# KiCad board keyboard.kicad_pcb (continued)
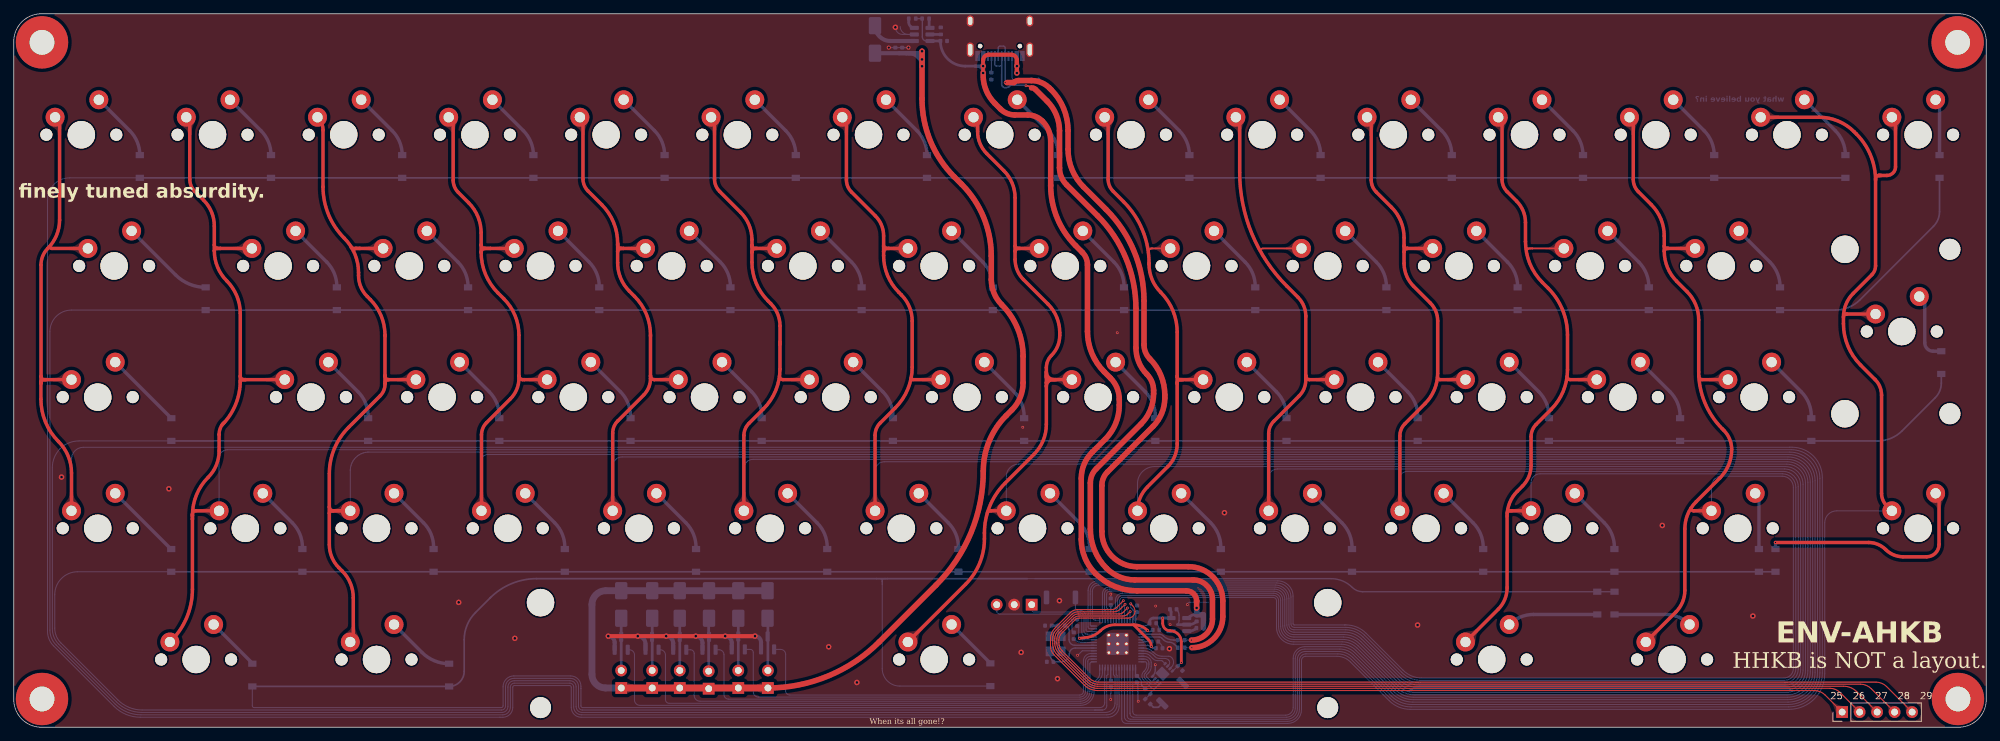
[diagram p0: board, top side]
## Routing (per net, layer and track width the routed paths; a pad name or vN(x,y) marks a point on that pad's centre or on a via; arc(x,y) is an arc through that point) (continued)
Net-(D_21-A): length 10.5
  Bottom w0.5: K_21.2 140.7,67.54 arc(141.78,65.92) 142.16,64.01 D_21.2
Net-(D_22-A): length 10.5
  Bottom w0.5: D_22.2 161.21,64.01 arc(160.83,65.92) 159.75,67.54 K_22.2
Net-(D_23-A): length 10.5
  Bottom w0.5: D_23.2 180.26,64.01 arc(179.88,65.92) 178.8,67.54 K_23.2
Net-(D_24-A): length 10.5
  Bottom w0.5: K_24.2 197.85,67.54 arc(198.93,65.92) 199.31,64.01 D_24.2
Net-(D_25-A): length 10.5
  Bottom w0.5: K_25.2 216.9,67.54 arc(217.98,65.92) 218.36,64.01 D_25.2
Net-(D_26-A): length 10.5
  Bottom w0.5: K_26.2 235.95,67.54 arc(237.03,65.92) 237.41,64.01 D_26.2
Net-(D_27-A): length 10.5
  Bottom w0.5: K_27.2 255,67.54 arc(256.08,65.92) 256.46,64.01 D_27.2
Net-(D_28-A): length 10.3
  Bottom w0.5: D_28.2 278.7,54.6 arc(277.83,54.96) 277.47,55.83 277.47,61.74 arc(277.24,62.31) K_28.2
Net-(D_29-A): length 11.5
  Bottom w0.5: K_29.2 22.87,44.88 D_29.2
Net-(D_30-A): length 10.3
  Bottom w0.5: D_30.2 51.45,45.18 arc(51.07,47.09) 49.99,48.72 K_30.2
Net-(D_31-A): length 10.3
  Bottom w0.5: D_31.2 70.5,45.18 arc(70.12,47.09) 69.04,48.72 K_31.2
Net-(D_32-A): length 10.3
  Bottom w0.5: K_32.2 88.09,48.72 arc(89.17,47.09) 89.55,45.18 D_32.2
Net-(D_33-A): length 10.3
  Bottom w0.5: D_33.2 108.6,45.18 arc(108.22,47.09) 107.14,48.72 K_33.2
Net-(D_34-A): length 10.3
  Bottom w0.5: K_34.2 126.19,48.72 arc(127.27,47.09) 127.65,45.18 D_34.2
Net-(D_35-A): length 10.3
  Bottom w0.5: D_35.2 146.7,45.18 arc(146.32,47.09) 145.24,48.72 K_35.2
Net-(D_36-A): length 10.3
  Bottom w0.5: K_36.2 164.29,48.72 arc(165.37,47.09) 165.75,45.18 D_36.2
Net-(D_37-A): length 10.3
  Bottom w0.5: D_37.2 184.8,45.18 arc(184.42,47.09) 183.34,48.72 K_37.2
Net-(D_38-A): length 10.3
  Bottom w0.5: D_38.2 203.85,45.18 arc(203.47,47.09) 202.39,48.72 K_38.2
Net-(D_39-A): length 10.3
  Bottom w0.5: K_39.2 221.44,48.72 arc(222.52,47.09) 222.9,45.18 D_39.2
Net-(D_40-A): length 10.3
  Bottom w0.5: D_40.2 241.95,45.18 arc(241.57,47.09) 240.49,48.72 K_40.2
Net-(D_41-A): length 10.3
  Bottom w0.5: D_41.2 261,45.18 arc(260.62,47.09) 259.54,48.72 K_41.2
Net-(D_42-A): length 11.5
  Bottom w0.5: K_42.2 22.79,25.9 arc(22.82,25.88) D_42.2
Net-(D_43-A): length 10.3
  Bottom w0.5: D_43.2 41.91,26.14 arc(41.53,28.06) 40.45,29.68 K_43.2
Net-(D_44-A): length 10.3
  Bottom w0.5: D_44.2 60.96,26.14 arc(60.58,28.06) 59.5,29.68 K_44.2
Net-(D_45-A): length 10.3
  Bottom w0.5: D_45.2 80.01,26.14 arc(79.63,28.06) 78.55,29.68 K_45.2
Net-(D_46-A): length 10.3
  Bottom w0.5: D_46.2 99.06,26.14 arc(98.68,28.06) 97.6,29.68 K_46.2
Net-(D_47-A): length 10.3
  Bottom w0.5: D_47.2 118.11,26.14 arc(117.73,28.06) 116.65,29.68 K_47.2
Net-(D_48-A): length 10.3
  Bottom w0.5: K_48.2 135.7,29.68 arc(136.78,28.06) 137.16,26.14 D_48.2
Net-(D_49-A): length 10.3
  Bottom w0.5: D_49.2 156.21,26.14 arc(155.83,28.06) 154.75,29.68 K_49.2
Net-(D_50-A): length 10.3
  Bottom w0.5: K_50.2 173.8,29.68 arc(174.88,28.06) 175.26,26.14 D_50.2
Net-(D_51-A): length 10.3
  Bottom w0.5: K_51.2 192.85,29.68 arc(193.93,28.06) 194.31,26.14 D_51.2
Net-(D_52-A): length 10.3
  Bottom w0.5: D_52.2 213.36,26.14 arc(212.98,28.06) 211.9,29.68 K_52.2
Net-(D_53-A): length 10.3
  Bottom w0.5: D_53.2 232.41,26.14 arc(232.03,28.06) 230.95,29.68 K_53.2
Net-(D_54-A): length 8.3
  Bottom w0.5: D_54.2 253.4,33.42 K_54.2
Net-(D_55-A): length 34
  Top w0.5: v1(255.8,26.83) 269.33,26.83 arc(270.66,26.56) 271.8,25.8 arc(272.96,25.02) 274.33,24.75 277.75,24.75 arc(279.02,25.28) 279.55,26.55 279.55,33.46 arc(279.4,33.82) K_55.2
  Bottom w0.5: D_55.2 v1(255.8,26.83)
Net-(D_56-A): length 8
  Bottom w0.5: K_56.2 34.59,9.35 arc(34.62,9.29) D_56.2
Net-(D_57-A): length 10.1
  Bottom w0.5: K_57.2 59.27,10.86 arc(61.08,9.65) D_57.2
Net-(D_58-A): length 8
  Bottom w0.5: K_58.2 141.79,9.3 arc(141.8,9.29) D_58.2
Net-(D_59-A): length 13.2
  Bottom w0.5: D_59.2 220.66,16.38 arc(218.75,16) K_59.2
Net-(D_60-A): length 11.3
  Bottom w0.5: D_60.2 239.81,16.38 arc(241.71,16) K_60.2
Net-(J1-CC1): length 2.4
  Bottom w0.15: J1.A5 141.95,95.08 R5.1
Net-(J1-CC2): length 6.1
  Bottom w0.15: J1.B5 144.95,94.34 arc(145.03,94.12) 145.24,94 147.77,94 R6.1
Net-(J2-Pin_1): length 12.6
  Bottom w0.15: U101.25 155.85,13.5 arc(155.52,13.64) 155.38,13.97 155.38,15.89 arc(155.14,16.48) 154.55,16.73 148.17,16.73 arc(147.91,16.83) 147.8,17.1 J2.1
Net-(J2-Pin_3): length 18.1
  Bottom w0.15: J2.3 142.72,16.87 arc(142.85,16.56) 143.17,16.43 154.52,16.43 arc(154.91,16.26) 155.07,15.88 155.07,13.84 arc(155.29,13.32) 155.81,13.1 U101.24
Net-(J3-Pin_1): length 136.3
  Top w0.15: v1(161.11,18.37) 160.09,17.35 arc(159.79,17.15) 159.42,17.08 154.46,17.08 arc(153.89,16.96) 153.41,16.64 151.26,14.49 151.26,14.46 151.14,14.34 arc(150.69,13.66) 150.52,12.85 150.52,11.78 arc(150.66,11.1) 151.05,10.52 155.43,6.13 arc(156.33,5.54) 157.39,5.33 261.45,5.33 arc(262.29,5.16) 262.99,4.69 J3.1
  Bottom w0.15: v1(161.11,18.37) 160.87,18.13 U101.37
Net-(J3-Pin_2): length 137.5
  Top w0.15: J3.2 265.17,5.05 arc(264.51,5.49) 263.72,5.65 157.3,5.65 arc(156.45,5.82) 155.73,6.3 151.53,10.5 arc(151.03,11.25) 150.85,12.13 150.85,12.62 150.84,12.63 150.84,12.86 arc(150.98,13.56) 151.38,14.15 153.6,16.37 arc(154.02,16.65) 154.51,16.75 159.67,16.75 arc(160.22,16.86) 160.67,17.16 v1(161.36,17.85)
  Bottom w0.15: U101.38 161.27,17.76 v1(161.36,17.85)
Net-(J3-Pin_3): length 138.8
  Top w0.15: v1(161.7,17.31) 161.04,16.65 arc(160.82,16.5) 160.55,16.45 154.62,16.45 arc(154.14,16.36) 153.74,16.09 151.61,13.96 arc(151.27,13.45) 151.15,12.84 151.15,12.2 arc(151.32,11.37) 151.79,10.67 155.91,6.54 arc(156.56,6.1) 157.33,5.95 265.7,5.95 arc(266.73,5.75) 267.59,5.17 J3.3
  Bottom w0.15: U101.39 161.67,17.29 v1(161.7,17.31)
Net-(J3-Pin_4): length 140.3
  Top w0.15: J3.4 269.7,5.6 arc(268.98,6.08) 268.13,6.25 157.38,6.25 arc(156.68,6.39) 156.1,6.78 152.03,10.84 arc(151.6,11.49) 151.45,12.25 151.45,12.83 arc(151.55,13.33) 151.84,13.76 153.91,15.83 arc(154.26,16.07) 154.67,16.15 161.05,16.15 arc(161.43,16.23) 161.75,16.44 v1(162.1,16.79)
  Bottom w0.15: U101.40 162.07,16.77 v1(162.1,16.79)
Net-(J3-Pin_5): length 145.7
  Top w0.15: J3.5 271.93,5.91 arc(271.22,6.38) 270.38,6.55 157.52,6.55 arc(156.81,6.69) 156.2,7.1 152.26,11.04 arc(151.88,11.61) 151.75,12.28 151.75,12.62 arc(151.86,13.2) 152.19,13.69 154.1,15.6 arc(154.38,15.79) 154.7,15.85 161.82,15.85 arc(162.51,16.14) 162.8,16.83 arc(162.71,17.27) 162.46,17.65 v1(162.18,17.93)
  Bottom w0.15: v1(162.18,17.93) 162.18,17.37 162.55,17 162.55,15.61 U101.41
Net-(R8-Pad1): length 2.2
  Bottom w0.25: SW1.2 166.2,2.9 165.47,2.9 R8.1
Net-(U1-EN): length 1.5
  Bottom w0.4: U1.3 170.63,13.95 arc(171.22,14.07) R7.1
Net-(U2-EN): length 1.4
  Bottom w0.4: R9.2 132.91,101.68 arc(132.95,101.59) U2.4
Net-(U2-FLG): length 1.8
  Bottom w0.4: R10.2 129.95,102.36 arc(130.19,101.79) U2.3
Net-(U2-ISET): length 1.6
  Bottom w0.4: U2.5 R11.1
Net-(U101-RUN): length 7
  Bottom w0.15: U101.26 155.93,13.9 arc(155.76,13.97) 155.69,14.13 155.69,15.98 arc(155.39,16.72) 154.65,17.03 154.43,17.03 arc(154.23,17.11) 154.15,17.31 SW2.2
Net-(U101-USB_DM): length 5.5
  Bottom w0.2: R3.1 168.43,12.65 arc(167.6,12.81) 166.9,13.28 arc(166.66,13.44) 166.37,13.5 U101.46
Net-(U101-USB_DP): length 5.8
  Bottom w0.2: U101.47 166.32,13.1 arc(166.52,13.06) 166.69,12.95 166.94,12.69 arc(167.33,12.43) 167.79,12.34 arc(168.19,12.26) 168.53,12.04 R2.1
Net-(U101-XIN): length 8.7
  Bottom w0.2: U101.20 154.12,11.5 arc(153.52,11.25) 153.27,10.66 arc(152.94,9.84) 152.12,9.5 C15.2 arc(150.57,10.09) 150.43,10.78 Y1.3
Net-(U101-XOUT): length 6.4
  Bottom w0.2: U101.21 154.06,11.9 arc(153.47,12.14) 153.22,12.73 153.23,14.16 arc(153.05,14.58) R4.2

## Copper pours and planes (outline as drawn; the poured copper is in the pictures)
+3V3 on Bottom: 164.3,14.1 164.3,14.95 163.12,16.12 162.67,16.12 162.67,14.95 159.47,14.95 159.47,15.98 159.07,15.98 159.07,14.95 157.42,14.95 157.42,12.5 156.4,12.5 156.4,12.1 157.42,12.1 157.42,9.25 159.07,9.25 159.07,8.23 159.47,8.23 159.47,9.25 162.67,9.25 162.67,8.08 163.12,8.08 163.12,12.1 164.3,12.1 164.3,12.9 163.12,12.9 163.12,14.1
GND on Top, Bottom: 0,103.6 286.4,103.6 286.4,0 0,0

Small or netless copper shapes (teardrops, artwork), in the pictures only: 78 on Top, 328 on Bottom

## Text on the board
Bottom: what you believe in?
B.Mask: Envious.Design / http://github.com/envious-data/Env-AHKB | env
B.Silkscreen: this shit slaps... | Wagwan? | BOOTSEL | RESET | UGLY | U Gotta Love Yourself!
F.Silkscreen: 25  26  27  28  29 | When its all gone!? | finely tuned absurdity. | HHKB is NOT a layout. | ENV-AHKB
